# Altium PCB main - Copy.PcbDoc (part 7 of 14)
Units mil, origin at the board's own origin, x right, y up, seen from the top; angles counter-clockwise.
Board outline 8394.55 x 5164.44 mil, 7 copper layers (Top Layer 1, Layer 2, Layer 3, Unused, Layer 4_pow, Layer 5_gnd, Bottom 6+gnd), stack 46.112 mil thick; 406 components, 463 nets, 1919 pads, 903 vias.
Unrouted connection lines stored in the file: 147.
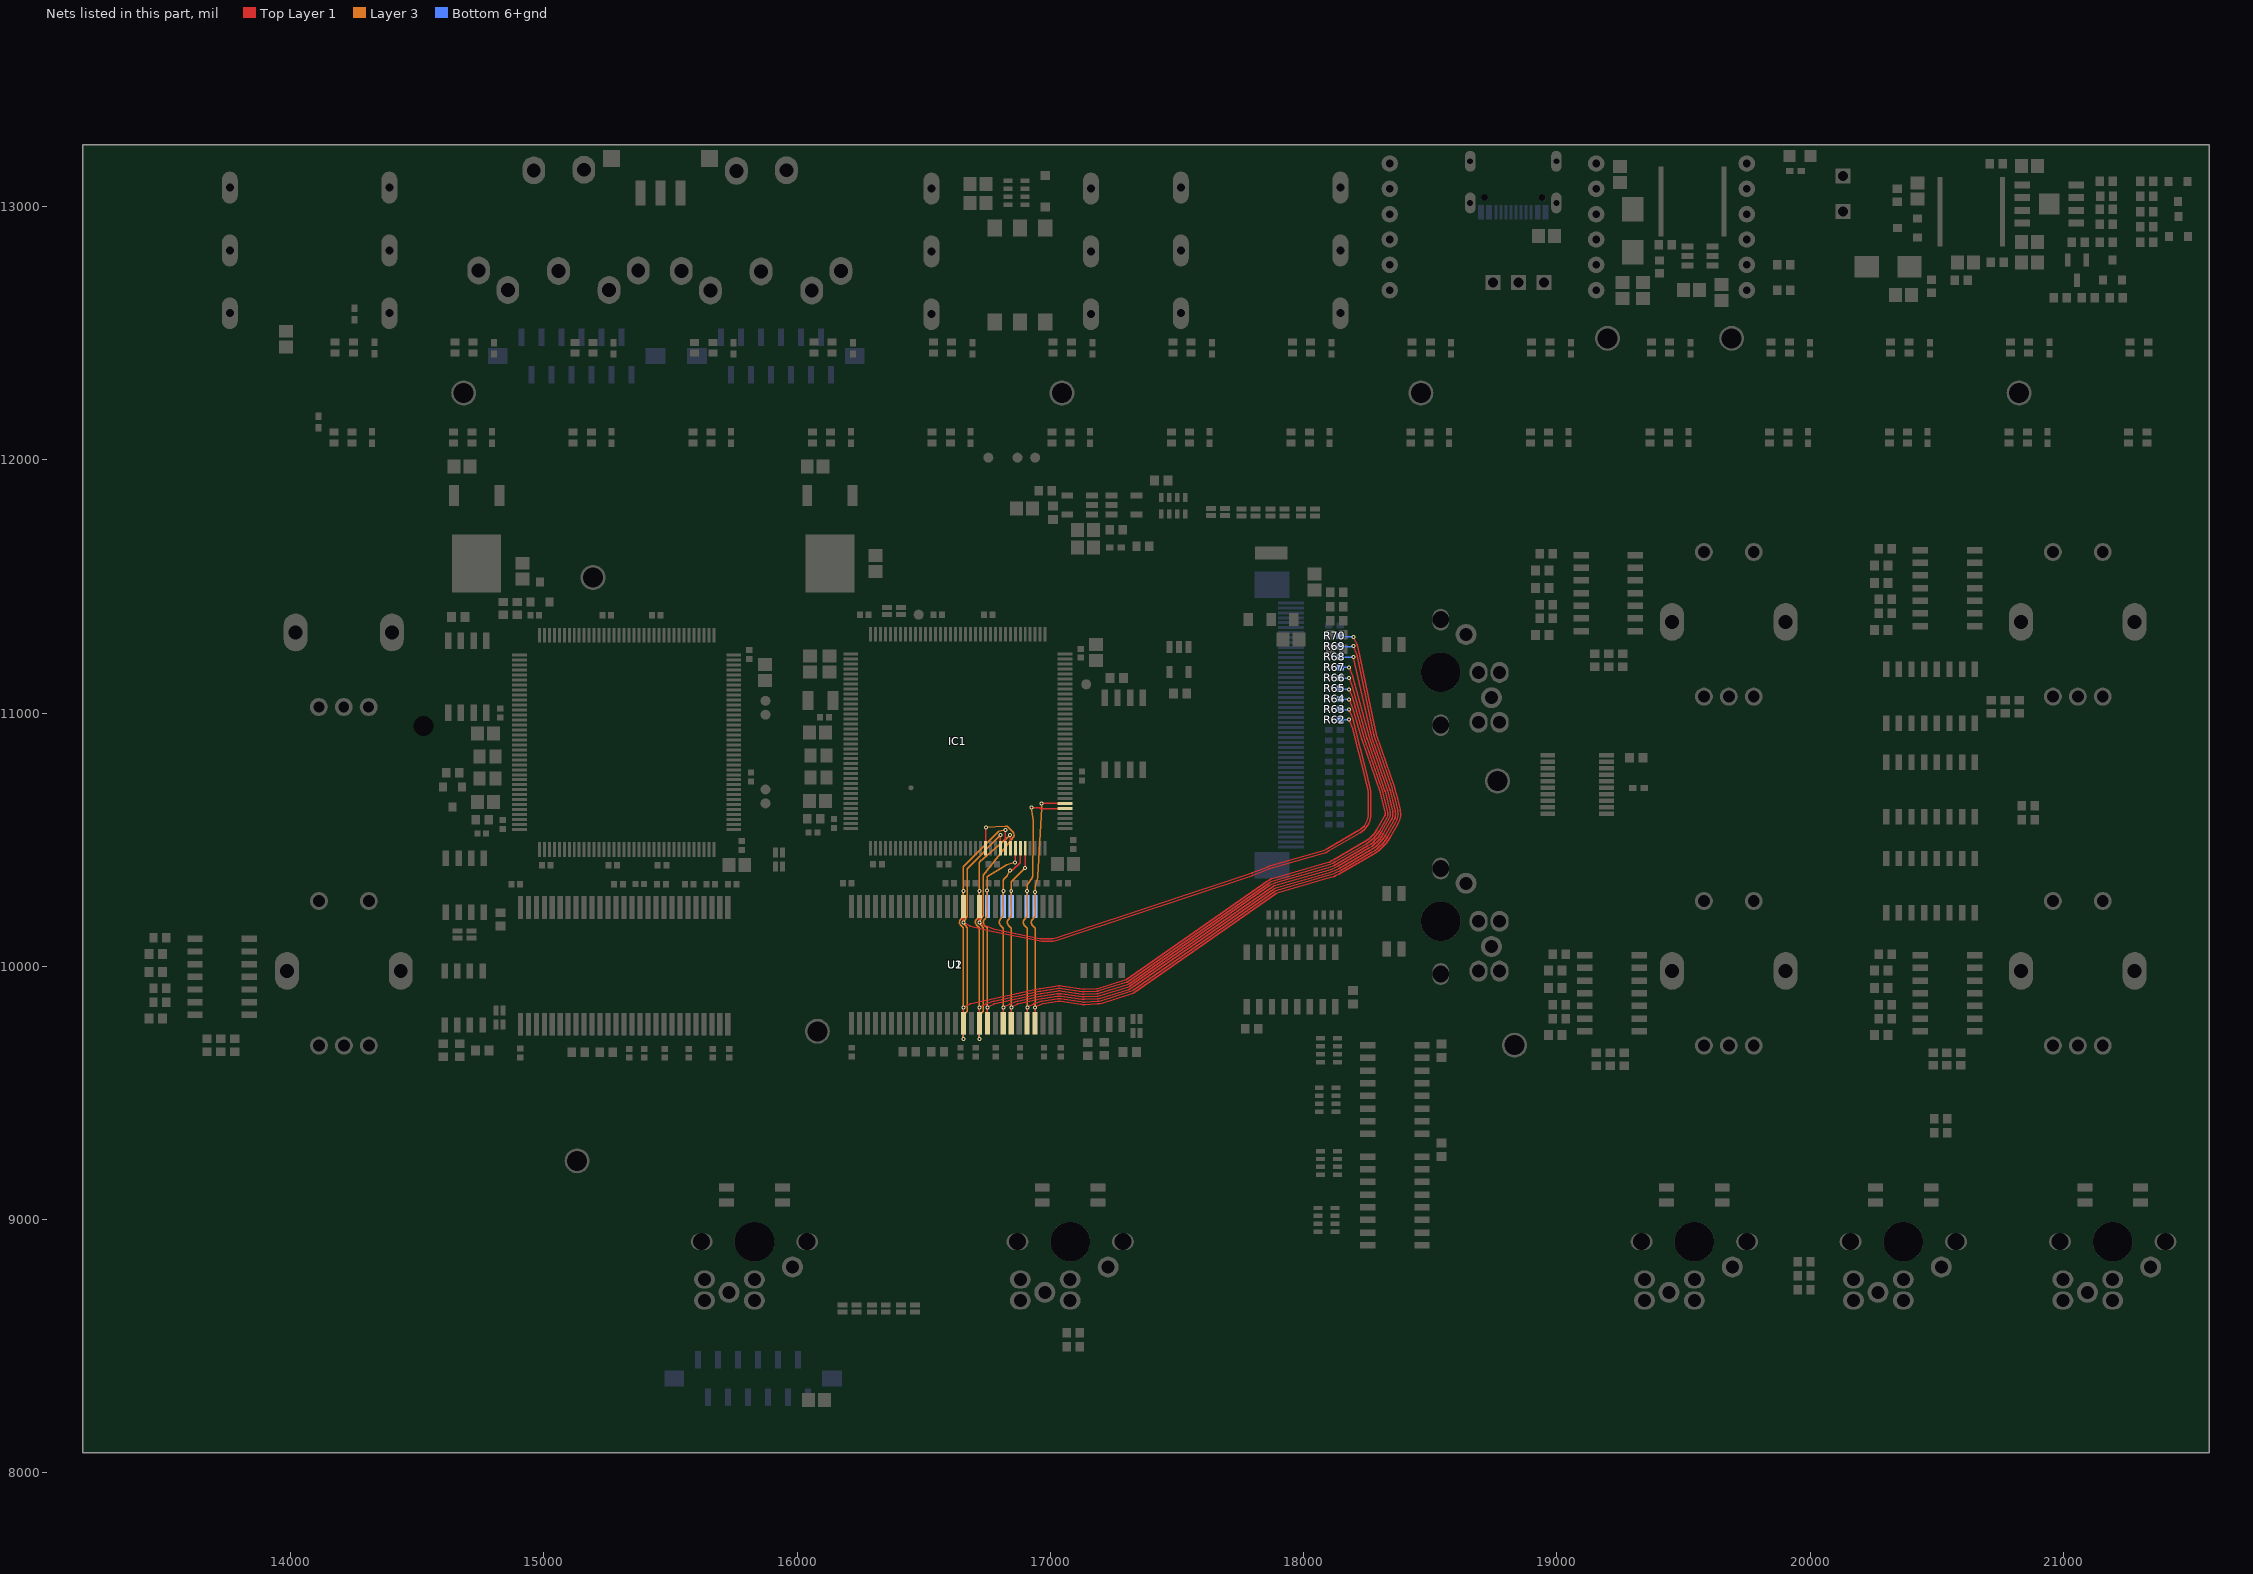
[diagram p11: the nets of this part, all layers, seen from the top]

## Via types
v1: diameter 15.75, hole 7.87, Top Layer 1 to Bottom 6+gnd, tented both sides, 830 vias
v2: diameter 27.56, hole 11.81, Top Layer 1 to Bottom 6+gnd, 45 vias
v3: diameter 23.62/23.62/23.62/23.62/23.62/23.62/23.62 (per signal layer), hole 12, Top Layer 1 to Bottom 6+gnd, tented top, 12 vias
v4: diameter 15.75, hole 7.87, Top Layer 1 to Bottom 6+gnd, 10 vias
v5: diameter 23.62/23.62/23.62/23.62/23.62/23.62/23.62 (per signal layer), hole 12, Top Layer 1 to Bottom 6+gnd, tented bottom, 6 vias

## Nets (pads, with @x,y where several pads share a name; then routed paths per layer and width w, separated by ;. In a path a pad name is that pad's centre, name@x,y a point inside that pad or via, vN(x,y) a via of type N, cw(c..) or ccw(c..) an arc to the next point about the centre after c; other vN are vias at no path point) (continued)
D6: IC1.60 R62.2 U1.11 U2.11 | length 3636.5
  Top Layer 1 w5: U1.11@16719.49,10236.22 16719.24,10193.72 v1(16719.24,10174.13) 16720.82,10172.64 ccw(c16724.24,10176.28) 16721.93,10171.85 16743.62,10160.51 ccw(c16750.74,10174.13) 16744.97,10159.88 16773.04,10148.61 ccw(c16782.5,10172.15) 16777.38,10147.3 16958.03,10110.1 ccw(c16971.21,10174.13) 16971.21,10108.76 17002.71,10108.76 ccw(c17002.71,10174.13) 17024.23,10112.4 17059.75,10124.76 cw(c17068.11,10100.81) 17060.13,10124.89 17793.61,10367.97 ccw(c17770.06,10439.17) 17797.64,10369.43 17855.63,10392.32 cw(c17906.89,10262.58) 17868.12,10396.58 18076.76,10456.95 ccw(c18056.25,10529.09) 18094.04,10464.3 18218.41,10536.89 ccw(c18180.42,10601.98) 18255.79,10601.98 18255.79,10681.98 ccw(c18180.42,10681.98) 18253.9,10698.76 18244.18,10741.43 ccw(c18180.42,10726.98) 18243.74,10743.24 18194.2,10936.27 ccw(c18179.31,10932.45) 18193.59,10938.14 v1(18179.31,10974.03) ; IC1.60@16743.43,10465.91 16744.13,10466.61 16744.13,10547.95 v1(16745,10548.82)
  Layer 3 w5: v1(16719.24,9713.5) 16719.24,9805.11 cw(c16724.24,9805.12) 16720.69,9808.63 16733.91,9821.89 ; v1(16745,10548.82) 16821.06,10553.92 ; 16733.91,9821.89 ccw(c16730.36,9825.42) 16735.36,9825.33 ; 16733.91,9821.89 ccw(c16730.36,9825.42) 16735.36,9825.33 ; 16733.91,9821.89 ccw(c16730.36,9825.42) 16735.36,9825.33 ; 16733.91,9821.89 ccw(c16730.36,9825.42) 16735.36,9825.33 ; 16733.91,9821.89 ccw(c16730.36,9825.42) 16735.36,9825.33 ; 16733.91,9821.89 ccw(c16730.36,9825.42) 16735.36,9825.33 ; 16733.91,9821.89 ccw(c16730.36,9825.42) 16735.36,9825.33 ; 16733.91,9821.89 ccw(c16730.36,9825.42) 16735.36,9825.33 ; 16733.91,9821.89 ccw(c16730.36,9825.42) 16735.36,9825.33 ; 16733.91,9821.89 ccw(c16730.36,9825.42) 16735.36,9825.33 ; 16733.91,9821.89 ccw(c16730.36,9825.42) 16735.36,9825.33 ; 16733.91,9821.89 ccw(c16730.36,9825.42) 16735.36,9825.33 ; 16733.91,9821.89 ccw(c16730.36,9825.42) 16735.36,9825.33 ; 16733.91,9821.89 ccw(c16730.36,9825.42) 16735.36,9825.33 ; 16733.91,9821.89 ccw(c16730.36,9825.42) 16735.36,9825.33 ; 16733.91,9821.89 ccw(c16730.36,9825.42) 16735.36,9825.33 ; 16734.32,10152.99 cw(c16730.36,10149.93) 16735.36,10150.02 ; 16734.32,10152.99 cw(c16730.36,10149.93) 16735.36,10150.02 ; 16734.32,10152.99 cw(c16730.36,10149.93) 16735.36,10150.02 ; 16734.32,10152.99 cw(c16730.36,10149.93) 16735.36,10150.02 ; 16734.32,10152.99 cw(c16730.36,10149.93) 16735.36,10150.02 ; 16734.32,10152.99 cw(c16730.36,10149.93) 16735.36,10150.02 ; 16734.32,10152.99 cw(c16730.36,10149.93) 16735.36,10150.02 ; 16734.32,10152.99 cw(c16730.36,10149.93) 16735.36,10150.02 ; 16734.32,10152.99 cw(c16730.36,10149.93) 16735.36,10150.02 ; 16734.32,10152.99 cw(c16730.36,10149.93) 16735.36,10150.02 ; 16734.32,10152.99 cw(c16730.36,10149.93) 16735.36,10150.02 ; 16734.32,10152.99 cw(c16730.36,10149.93) 16735.36,10150.02 ; 16734.32,10152.99 cw(c16730.36,10149.93) 16735.36,10150.02 ; 16734.32,10152.99 cw(c16730.36,10149.93) 16735.36,10150.02 ; 16734.32,10152.99 cw(c16730.36,10149.93) 16735.36,10150.02 ; 16734.32,10152.99 cw(c16730.36,10149.93) 16735.36,10150.02 ; 16734.32,10152.99 16720.29,10171.06 cw(c16724.24,10174.13) v1(16719.24,10174.13) 16719.24,10174.19 cw(c16724.24,10174.13) 16720.06,10176.88 16733.8,10197.79 ccw(c16729.62,10200.53) 16734.62,10200.44 16734.62,10356.36 ; 16734.62,10356.36 cw(c16739.62,10356.36) 16735.69,10359.46 ; 16734.62,10356.36 cw(c16739.62,10356.36) 16735.69,10359.46 ; 16734.62,10356.36 cw(c16739.62,10356.36) 16735.69,10359.46 ; 16734.62,10356.36 cw(c16739.62,10356.36) 16735.69,10359.46 ; 16734.62,10356.36 cw(c16739.62,10356.36) 16735.69,10359.46 ; 16734.62,10356.36 cw(c16739.62,10356.36) 16735.69,10359.46 ; 16734.62,10356.36 cw(c16739.62,10356.36) 16735.69,10359.46 ; 16734.62,10356.36 cw(c16739.62,10356.36) 16735.69,10359.46 ; 16734.62,10356.36 cw(c16739.62,10356.36) 16735.69,10359.46 ; 16734.62,10356.36 cw(c16739.62,10356.36) 16735.69,10359.46 ; 16734.62,10356.36 cw(c16739.62,10356.36) 16735.69,10359.46 ; 16734.62,10356.36 cw(c16739.62,10356.36) 16735.69,10359.46 ; 16734.62,10356.36 cw(c16739.62,10356.36) 16735.69,10359.46 ; 16734.62,10356.36 cw(c16739.62,10356.36) 16735.69,10359.46 ; 16734.62,10356.36 cw(c16739.62,10356.36) 16735.69,10359.46 ; 16734.62,10356.36 cw(c16739.62,10356.36) 16735.69,10359.46 ; 16735.36,9825.33 16735.36,10150.02 ; 16735.69,10359.46 16853.53,10509.07 ccw(c16841.46,10518.58) 16852.5,10529.28 16833.13,10549.28 ; 16821.06,10553.92 cw(c16822.09,10538.58) 16833.13,10549.28 ; 16821.06,10553.92 cw(c16822.09,10538.58) 16833.13,10549.28 ; 16821.06,10553.92 cw(c16822.09,10538.58) 16833.13,10549.28 ; 16821.06,10553.92 cw(c16822.09,10538.58) 16833.13,10549.28 ; 16821.06,10553.92 cw(c16822.09,10538.58) 16833.13,10549.28 ; 16821.06,10553.92 cw(c16822.09,10538.58) 16833.13,10549.28 ; 16821.06,10553.92 cw(c16822.09,10538.58) 16833.13,10549.28 ; 16821.06,10553.92 cw(c16822.09,10538.58) 16833.13,10549.28 ; 16821.06,10553.92 cw(c16822.09,10538.58) 16833.13,10549.28 ; 16821.06,10553.92 cw(c16822.09,10538.58) 16833.13,10549.28 ; 16821.06,10553.92 cw(c16822.09,10538.58) 16833.13,10549.28 ; 16821.06,10553.92 cw(c16822.09,10538.58) 16833.13,10549.28 ; 16821.06,10553.92 cw(c16822.09,10538.58) 16833.13,10549.28 ; 16821.06,10553.92 cw(c16822.09,10538.58) 16833.13,10549.28 ; 16821.06,10553.92 cw(c16822.09,10538.58) 16833.13,10549.28 ; 16821.06,10553.92 cw(c16822.09,10538.58) 16833.13,10549.28
  Bottom 6+gnd w5: v1@16719.49,9713.75 U2.11@16719.49,9775.59 ; R62.2@18145.28,10974.03 v1(18179.31,10974.03)
D7: IC1.63 R63.2 U1.13 U2.13 | length 3429.1
  Top Layer 1 w5: U1.13@16656.5,10236.22 16656.25,10193.72 v1(16656.25,10174.13) 16657.74,10172.65 ccw(c16661.25,10176.21) 16658.95,10171.77 16680.7,10160.47 ccw(c16687.75,10174.13) 16684.19,10159.18 16774.38,10137.72 16775.32,10137.51 ccw(c16777.38,10147.3) 16775.41,10137.5 16956.03,10100.3 ccw(c16971.21,10174.13) 16971.21,10098.76 17002.71,10098.76 ccw(c17002.71,10174.13) 17027.48,10102.95 17063.03,10115.32 cw(c17068.11,10100.81) 17063.28,10115.4 17796.8,10358.49 ccw(c17770.06,10439.17) 17801.26,10360.11 17859.35,10383.04 cw(c17906.89,10262.58) 17870.92,10386.98 18079.54,10447.34 ccw(c18056.25,10529.09) 18099.08,10455.67 18223.45,10528.25 ccw(c18180.42,10601.98) 18265.79,10601.98 18265.79,10681.98 ccw(c18180.42,10681.98) 18263.65,10700.98 18253.92,10743.66 ; IC1.63@16802.32,10466.06 v1@16802.32,10518.35 ; v1(18179.31,11014.03) 18193.5,10979.94 cw(c18179.31,10974.03) 18194.21,10977.83 18253.42,10745.76 cw(c18180.42,10726.98) 18253.93,10743.66
  Layer 3 w5: v1(16656.25,9713.5) 16656.25,9805.11 cw(c16661.25,9805.12) 16657.7,9808.63 16670.66,9821.64 ; v1(16802.09,10518.58) 16673.05,10386.87 ; v1@16656.25,10174.13 ccw(c16661.25,10174.13) v1@16657.28,10171.1 ; v1@16656.25,10174.13 ccw(c16661.25,10174.13) v1@16657.28,10171.1 ; v1@16656.25,10174.13 ccw(c16661.25,10174.13) v1@16657.28,10171.1 ; v1@16656.25,10174.13 ccw(c16661.25,10174.13) v1@16657.28,10171.1 ; v1@16656.25,10174.13 ccw(c16661.25,10174.13) v1@16657.28,10171.09 ; v1(16656.25,10174.13) 16656.25,10174.19 cw(c16661.25,10174.13) 16657.07,10176.88 16670.8,10197.79 ccw(c16666.62,10200.53) 16671.62,10200.44 16671.62,10383.37 ; v1@16657.28,10171.09 16671.07,10153.24 ; 16670.66,9821.64 ccw(c16667.11,9825.17) 16672.11,9825.08 ; 16670.66,9821.64 ccw(c16667.11,9825.17) 16672.11,9825.08 ; 16670.66,9821.64 ccw(c16667.11,9825.17) 16672.11,9825.08 ; 16670.66,9821.64 ccw(c16667.11,9825.17) 16672.11,9825.08 ; 16670.66,9821.64 ccw(c16667.11,9825.17) 16672.11,9825.08 ; 16670.66,9821.64 ccw(c16667.11,9825.17) 16672.11,9825.08 ; 16670.66,9821.64 ccw(c16667.11,9825.17) 16672.11,9825.08 ; 16670.66,9821.64 ccw(c16667.11,9825.17) 16672.11,9825.08 ; 16670.66,9821.64 ccw(c16667.11,9825.17) 16672.11,9825.08 ; 16670.66,9821.64 ccw(c16667.11,9825.17) 16672.11,9825.08 ; 16670.66,9821.64 ccw(c16667.11,9825.17) 16672.11,9825.08 ; 16670.66,9821.64 ccw(c16667.11,9825.17) 16672.11,9825.08 ; 16670.66,9821.64 ccw(c16667.11,9825.17) 16672.11,9825.08 ; 16670.66,9821.64 ccw(c16667.11,9825.17) 16672.11,9825.08 ; 16670.66,9821.64 ccw(c16667.11,9825.17) 16672.11,9825.08 ; 16670.66,9821.64 ccw(c16667.11,9825.17) 16672.11,9825.08 ; 16671.07,10153.24 cw(c16667.11,10150.19) 16672.11,10150.28 ; 16671.07,10153.24 cw(c16667.11,10150.19) 16672.11,10150.28 ; 16671.07,10153.24 cw(c16667.11,10150.19) 16672.11,10150.28 ; 16671.07,10153.24 cw(c16667.11,10150.19) 16672.11,10150.28 ; 16671.07,10153.24 cw(c16667.11,10150.19) 16672.11,10150.28 ; 16671.07,10153.24 cw(c16667.11,10150.19) 16672.11,10150.28 ; 16671.07,10153.24 cw(c16667.11,10150.19) 16672.11,10150.28 ; 16671.07,10153.24 cw(c16667.11,10150.19) 16672.11,10150.28 ; 16671.07,10153.24 cw(c16667.11,10150.19) 16672.11,10150.28 ; 16671.07,10153.24 cw(c16667.11,10150.19) 16672.11,10150.28 ; 16671.07,10153.24 cw(c16667.11,10150.19) 16672.11,10150.28 ; 16671.07,10153.24 cw(c16667.11,10150.19) 16672.11,10150.28 ; 16671.07,10153.24 cw(c16667.11,10150.19) 16672.11,10150.28 ; 16671.07,10153.24 cw(c16667.11,10150.19) 16672.11,10150.28 ; 16671.07,10153.24 cw(c16667.11,10150.19) 16672.11,10150.28 ; 16671.07,10153.24 cw(c16667.11,10150.19) 16672.11,10150.28 ; 16671.62,10383.37 cw(c16676.63,10383.37) 16673.04,10386.86 ; 16671.62,10383.37 cw(c16676.63,10383.37) 16673.04,10386.86 ; 16671.62,10383.37 cw(c16676.63,10383.37) 16673.05,10386.87 ; 16671.62,10383.37 cw(c16676.63,10383.37) 16673.05,10386.86 ; 16671.62,10383.37 cw(c16676.63,10383.37) 16673.04,10386.86 ; 16671.62,10383.37 cw(c16676.63,10383.37) 16673.04,10386.86 ; 16671.62,10383.37 cw(c16676.63,10383.37) 16673.04,10386.86 ; 16671.62,10383.37 cw(c16676.63,10383.37) 16673.04,10386.86 ; 16671.62,10383.37 cw(c16676.63,10383.37) 16673.04,10386.85 ; 16671.62,10383.37 cw(c16676.63,10383.37) 16673.04,10386.85 ; 16671.62,10383.37 cw(c16676.63,10383.37) 16673.04,10386.85 ; 16671.62,10383.37 cw(c16676.63,10383.37) 16673.04,10386.85 ; 16671.62,10383.37 cw(c16676.63,10383.37) 16673.04,10386.85 ; 16671.62,10383.37 cw(c16676.63,10383.37) 16673.04,10386.85 ; 16671.62,10383.37 cw(c16676.63,10383.37) 16673.04,10386.85 ; 16671.62,10383.37 cw(c16676.63,10383.37) 16673.04,10386.85 ; 16672.11,9825.08 16672.11,10150.28
  Bottom 6+gnd w5: v1@16656.5,9713.75 U2.13@16656.5,9775.59 ; R63.2@18144.17,11014.23 18179.1,11014.23 v1(18179.31,11014.03)
D8: IC1.64 R64.2 U1.42 U2.42 | length 3696.2
  Top Layer 1 w5: U1.42@16656.5,9775.59 16656.74,9818.09 v1(16656.74,9837.68) 16658.21,9839.14 cw(c16661.74,9835.6) 16659.44,9840.04 16681.13,9851.31 cw(c16688.24,9837.68) 16684.98,9852.7 16955.77,9911.35 cw(c16971.7,9837.68) 16959.74,9912.09 17021.14,9921.97 cw(c17034.69,9837.68) 17047.87,9922.03 17129.61,9909.48 ccw(c17131.96,9924.67) 17132.74,9909.31 17182.9,9911.85 ccw(c17182.09,9927.2) 17186.64,9912.52 17297.1,9946.79 ccw(c17294.88,9953.96) 17299.17,9947.81 17855.69,10335.99 cw(c17906.89,10262.58) 17882.02,10348.55 18090.73,10408.94 ccw(c18056.25,10529.09) 18119.13,10421.05 18243.61,10493.7 ccw(c18180.42,10601.98) 18289.14,10539.56 18320.73,10594.57 ccw(c18307.4,10602.23) 18322.34,10605.83 18312.6,10646.2 ccw(c18297.66,10642.59) 18312.53,10646.47 18302.33,10685.68 ccw(c18287.45,10681.8) 18301.92,10686.99 18231.71,10892.03 cw(c18338.58,10928.53) 18230.33,10896.35 18194.04,11018.41 ccw(c18179.31,11014.03) 18193.5,11019.94 v1(18179.31,11054.03) ; IC1.64@16822.17,10465.9 v1@16822.17,10538.5
  Layer 3 w5: v1(16656.74,9837.68) 16656.74,10149.87 ; v1(16822.09,10538.58) 16798.87,10533.62 ; 16655.28,10153.31 cw(c16651.74,10149.78) 16656.74,10149.87 ; 16655.28,10153.31 cw(c16651.74,10149.78) 16656.74,10149.87 ; 16655.28,10153.31 cw(c16651.74,10149.78) 16656.74,10149.87 ; 16655.28,10153.31 cw(c16651.74,10149.78) 16656.74,10149.87 ; 16655.28,10153.31 cw(c16651.74,10149.78) 16656.74,10149.87 ; 16655.28,10153.31 cw(c16651.74,10149.78) 16656.74,10149.87 ; 16655.28,10153.31 cw(c16651.74,10149.78) 16656.74,10149.87 ; 16655.28,10153.31 cw(c16651.74,10149.78) 16656.74,10149.87 ; 16655.28,10153.31 cw(c16651.74,10149.78) 16656.74,10149.87 ; 16655.28,10153.31 cw(c16651.74,10149.78) 16656.74,10149.87 ; 16655.28,10153.31 cw(c16651.74,10149.78) 16656.74,10149.87 ; 16655.28,10153.31 cw(c16651.74,10149.78) 16656.74,10149.87 ; 16655.28,10153.31 cw(c16651.74,10149.78) 16656.74,10149.87 ; 16655.28,10153.31 cw(c16651.74,10149.78) 16656.74,10149.87 ; 16655.28,10153.31 cw(c16651.74,10149.78) 16656.74,10149.87 ; 16655.28,10153.31 cw(c16651.74,10149.78) 16656.74,10149.87 ; 16655.28,10153.31 16645.36,10163.28 cw(c16656.25,10174.13) 16644.73,10184.31 16655.49,10196.48 ; 16655.49,10196.48 ccw(c16651.74,10199.79) 16656.74,10199.7 ; 16655.49,10196.48 ccw(c16651.74,10199.79) 16656.74,10199.7 ; 16655.49,10196.48 ccw(c16651.74,10199.79) 16656.74,10199.7 ; 16655.49,10196.48 ccw(c16651.74,10199.79) 16656.74,10199.7 ; 16655.49,10196.48 ccw(c16651.74,10199.79) 16656.74,10199.7 ; 16655.49,10196.48 ccw(c16651.74,10199.79) 16656.74,10199.7 ; 16655.49,10196.48 ccw(c16651.74,10199.79) 16656.74,10199.7 ; 16655.49,10196.48 ccw(c16651.74,10199.79) 16656.74,10199.7 ; 16655.49,10196.48 ccw(c16651.74,10199.79) 16656.74,10199.7 ; 16655.49,10196.48 ccw(c16651.74,10199.79) 16656.74,10199.7 ; 16655.49,10196.48 ccw(c16651.74,10199.79) 16656.74,10199.7 ; 16655.49,10196.48 ccw(c16651.74,10199.79) 16656.74,10199.7 ; 16655.49,10196.48 ccw(c16651.74,10199.79) 16656.74,10199.7 ; 16655.49,10196.48 ccw(c16651.74,10199.79) 16656.74,10199.7 ; 16655.49,10196.48 ccw(c16651.74,10199.79) 16656.74,10199.7 ; 16655.49,10196.48 ccw(c16651.74,10199.79) 16656.74,10199.7 ; 16656.25,10392.42 cw(c16661.25,10392.42) 16657.7,10395.93 ; 16656.25,10392.42 cw(c16661.25,10392.42) 16657.7,10395.93 ; 16656.25,10392.42 cw(c16661.25,10392.42) 16657.7,10395.93 ; 16656.25,10392.42 cw(c16661.25,10392.42) 16657.7,10395.93 ; 16656.25,10392.42 cw(c16661.25,10392.42) 16657.7,10395.93 ; 16656.25,10392.42 cw(c16661.25,10392.42) 16657.7,10395.93 ; 16656.25,10392.42 cw(c16661.25,10392.42) 16657.7,10395.93 ; 16656.25,10392.42 cw(c16661.25,10392.42) 16657.7,10395.93 ; 16656.25,10392.42 cw(c16661.25,10392.42) 16657.7,10395.93 ; 16656.25,10392.42 cw(c16661.25,10392.42) 16657.7,10395.93 ; 16656.25,10392.42 cw(c16661.25,10392.42) 16657.7,10395.93 ; 16656.25,10392.42 cw(c16661.25,10392.42) 16657.7,10395.93 ; 16656.25,10392.42 cw(c16661.25,10392.42) 16657.7,10395.93 ; 16656.25,10392.42 cw(c16661.25,10392.42) 16657.7,10395.93 ; 16656.25,10392.42 cw(c16661.25,10392.42) 16657.7,10395.93 ; 16656.25,10392.42 cw(c16661.25,10392.42) 16657.7,10395.93 ; 16656.25,10392.42 v1(16656.25,10298.31) 16656.74,10297.82 16656.74,10199.7 ; 16657.7,10395.93 16791.23,10529.47 ; 16791.23,10529.47 cw(c16802.09,10518.58) 16798.87,10533.62 ; 16791.23,10529.47 cw(c16802.09,10518.58) 16798.87,10533.62 ; 16791.23,10529.47 cw(c16802.09,10518.58) 16798.87,10533.62 ; 16791.23,10529.47 cw(c16802.09,10518.58) 16798.87,10533.62 ; 16791.23,10529.47 cw(c16802.09,10518.58) 16798.87,10533.62 ; 16791.23,10529.47 cw(c16802.09,10518.58) 16798.87,10533.62 ; 16791.23,10529.47 cw(c16802.09,10518.58) 16798.87,10533.62 ; 16791.23,10529.47 cw(c16802.09,10518.58) 16798.87,10533.62 ; 16791.23,10529.47 cw(c16802.09,10518.58) 16798.87,10533.62 ; 16791.23,10529.47 cw(c16802.09,10518.58) 16798.87,10533.62 ; 16791.23,10529.47 cw(c16802.09,10518.58) 16798.87,10533.62 ; 16791.23,10529.47 cw(c16802.09,10518.58) 16798.87,10533.62 ; 16791.23,10529.47 cw(c16802.09,10518.58) 16798.87,10533.62 ; 16791.23,10529.47 cw(c16802.09,10518.58) 16798.87,10533.62 ; 16791.23,10529.47 cw(c16802.09,10518.58) 16798.87,10533.62 ; 16791.23,10529.47 cw(c16802.09,10518.58) 16798.87,10533.62
  Bottom 6+gnd w5: U2.42@16656.5,10236.22 v1@16656.5,10298.06 ; R64.2@18144.17,11055.55 18177.79,11055.55 v1(18179.31,11054.03)
D9: IC1.65 R65.2 U1.44 U2.44 | length 3497.6
  Top Layer 1 w5: U1.44@16719.49,9775.59 16719.73,9818.09 v1(16719.73,9837.68) 16721.2,9839.14 cw(c16724.73,9835.6) 16722.43,9840.04 16744.12,9851.31 cw(c16751.23,9837.68) 16746.35,9852.25 16774.69,9861.75 cw(c16782.72,9837.68) 16777.4,9862.48 16957.92,9901.58 cw(c16971.7,9837.68) 16961.31,9902.22 17022.7,9912.09 cw(c17034.69,9837.68) 17046.33,9912.15 ; IC1.65@16841.69,10466.06 v1@16841.69,10518.35 ; 17046.33,9912.15 17128.02,9899.6 ccw(c17131.96,9924.67) 17133.28,9899.33 17183.36,9901.86 ccw(c17182.09,9927.2) 17189.57,9902.96 17300.07,9937.24 ccw(c17294.88,9953.96) 17304.89,9939.6 17861.33,10327.73 cw(c17906.89,10262.58) 17884.85,10338.96 18093.54,10399.34 ccw(c18056.25,10529.09) 18124.17,10412.42 18248.65,10485.06 ccw(c18180.42,10601.98) 18297.82,10534.58 18329.4,10589.59 ccw(c18307.4,10602.23) 18332.07,10608.18 18322.32,10648.55 ccw(c18297.66,10642.59) 18322.21,10648.99 18312,10688.19 ccw(c18287.45,10681.8) 18311.38,10690.23 18241.18,10895.24 cw(c18338.58,10928.53) 18239.67,10900.04 18194.08,11058.29 ccw(c18179.31,11054.03) 18193.5,11059.94 v1(18179.31,11094.03)
  Layer 3 w5: v1(16719.73,9837.68) 16719.73,10149.87 ; v1(16841.46,10518.58) 16720.93,10412.23 ; 16718.28,10153.31 cw(c16714.73,10149.78) 16719.73,10149.87 ; 16718.28,10153.31 cw(c16714.73,10149.78) 16719.73,10149.87 ; 16718.28,10153.31 cw(c16714.73,10149.78) 16719.73,10149.87 ; 16718.28,10153.31 cw(c16714.73,10149.78) 16719.73,10149.87 ; 16718.28,10153.31 cw(c16714.73,10149.78) 16719.73,10149.87 ; 16718.28,10153.31 cw(c16714.73,10149.78) 16719.73,10149.87 ; 16718.28,10153.31 cw(c16714.73,10149.78) 16719.73,10149.87 ; 16718.28,10153.31 cw(c16714.73,10149.78) 16719.73,10149.87 ; 16718.28,10153.31 cw(c16714.73,10149.78) 16719.73,10149.87 ; 16718.28,10153.31 cw(c16714.73,10149.78) 16719.73,10149.87 ; 16718.28,10153.31 cw(c16714.73,10149.78) 16719.73,10149.87 ; 16718.28,10153.31 cw(c16714.73,10149.78) 16719.73,10149.87 ; 16718.28,10153.31 cw(c16714.73,10149.78) 16719.73,10149.87 ; 16718.28,10153.31 cw(c16714.73,10149.78) 16719.73,10149.87 ; 16718.28,10153.31 cw(c16714.73,10149.78) 16719.73,10149.87 ; 16718.28,10153.31 cw(c16714.73,10149.78) 16719.73,10149.87 ; 16718.28,10153.31 16708.35,10163.28 cw(c16719.24,10174.13) 16707.72,10184.31 16718.48,10196.48 ; 16718.48,10196.48 ccw(c16714.73,10199.79) 16719.73,10199.7 ; 16718.48,10196.48 ccw(c16714.73,10199.79) 16719.73,10199.7 ; 16718.48,10196.48 ccw(c16714.73,10199.79) 16719.73,10199.7 ; 16718.48,10196.48 ccw(c16714.73,10199.79) 16719.73,10199.7 ; 16718.48,10196.48 ccw(c16714.73,10199.79) 16719.73,10199.7 ; 16718.48,10196.48 ccw(c16714.73,10199.79) 16719.73,10199.7 ; 16718.48,10196.48 ccw(c16714.73,10199.79) 16719.73,10199.7 ; 16718.48,10196.48 ccw(c16714.73,10199.79) 16719.73,10199.7 ; 16718.48,10196.48 ccw(c16714.73,10199.79) 16719.73,10199.7 ; 16718.48,10196.48 ccw(c16714.73,10199.79) 16719.73,10199.7 ; 16718.48,10196.48 ccw(c16714.73,10199.79) 16719.73,10199.7 ; 16718.48,10196.48 ccw(c16714.73,10199.79) 16719.73,10199.7 ; 16718.48,10196.48 ccw(c16714.73,10199.79) 16719.73,10199.7 ; 16718.48,10196.48 ccw(c16714.73,10199.79) 16719.73,10199.7 ; 16718.48,10196.48 ccw(c16714.73,10199.79) 16719.73,10199.7 ; 16718.48,10196.48 ccw(c16714.73,10199.79) 16719.73,10199.7 ; 16719.24,10408.49 cw(c16724.24,10408.49) 16720.93,10412.24 ; 16719.24,10408.49 cw(c16724.24,10408.49) 16720.93,10412.24 ; 16719.24,10408.49 cw(c16724.24,10408.49) 16720.93,10412.24 ; 16719.24,10408.49 cw(c16724.24,10408.49) 16720.93,10412.24 ; 16719.24,10408.49 cw(c16724.24,10408.49) 16720.93,10412.24 ; 16719.24,10408.49 cw(c16724.24,10408.49) 16720.93,10412.24 ; 16719.24,10408.49 cw(c16724.24,10408.49) 16720.93,10412.24 ; 16719.24,10408.49 cw(c16724.24,10408.49) 16720.93,10412.24 ; 16719.24,10408.49 cw(c16724.24,10408.49) 16720.93,10412.24 ; 16719.24,10408.49 cw(c16724.24,10408.49) 16720.93,10412.24 ; 16719.24,10408.49 cw(c16724.24,10408.49) 16720.93,10412.24 ; 16719.24,10408.49 cw(c16724.24,10408.49) 16720.93,10412.24 ; 16719.24,10408.49 cw(c16724.24,10408.49) 16720.93,10412.24 ; 16719.24,10408.49 cw(c16724.24,10408.49) 16720.93,10412.24 ; 16719.24,10408.49 cw(c16724.24,10408.49) 16720.93,10412.24 ; 16719.24,10408.49 cw(c16724.24,10408.49) 16720.93,10412.24 ; 16719.24,10408.49 v1(16719.24,10298.31) 16719.73,10297.82 16719.73,10199.7